# KiCad board Before Huzaifa Antuley fixed DRC.kicad_pcb (continued)
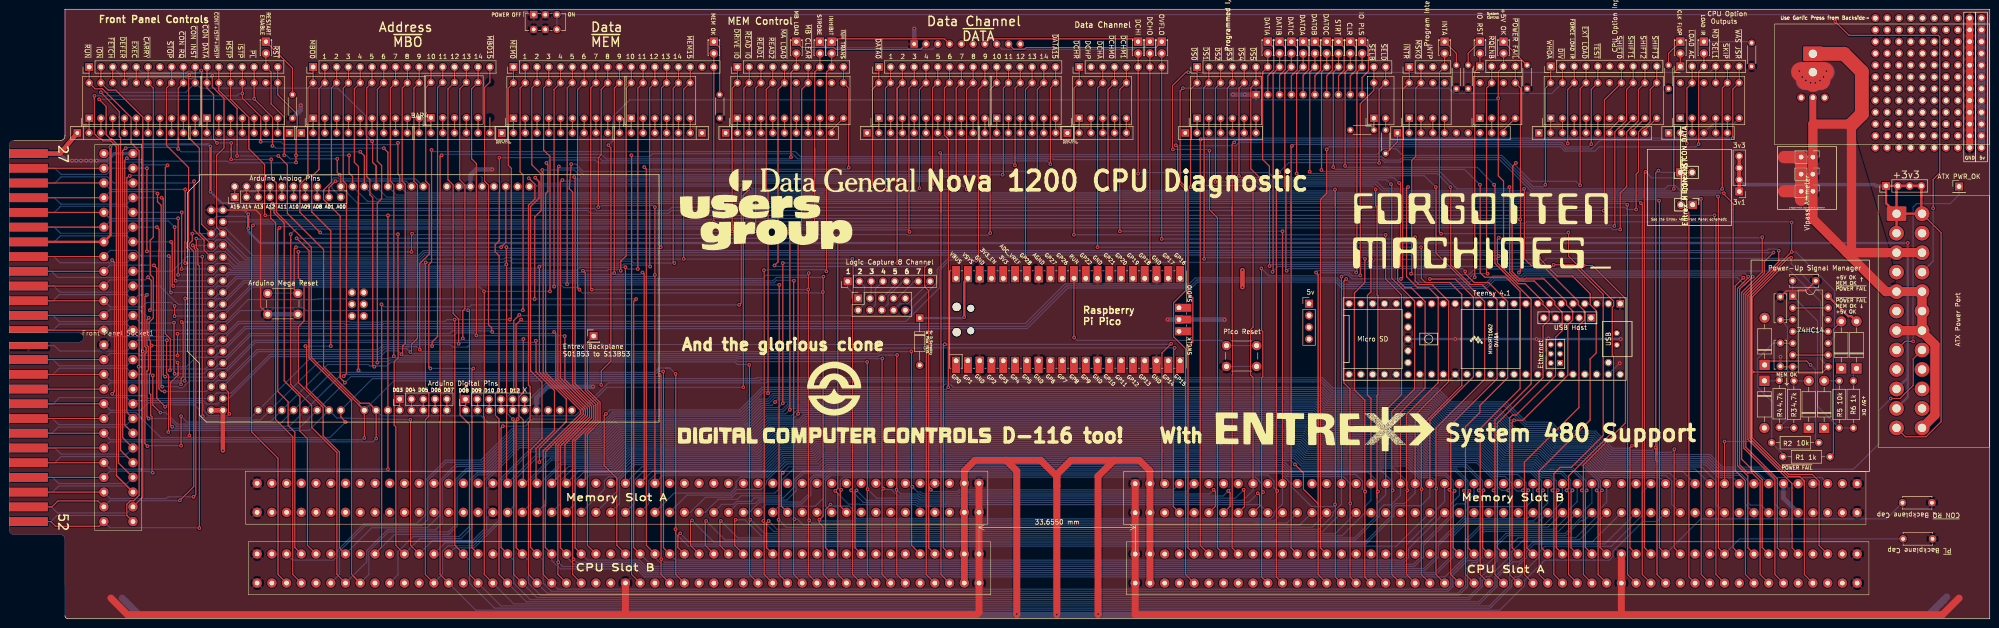
[diagram p0: board, top side]
## Routing (per net, layer and track width the routed paths; a pad name or vN(x,y) marks a point on that pad's centre or on a via; arc(x,y) is an arc through that point) (continued)
-5V: length 72.5
  Top w0.25: v1(369.63,38.23) J16.81 ; J4.20 410.3,56.05 410.3,50.35 407.45,47.5 v1(405.45,47.5)
  Bottom w0.25: v1(405.45,47.5) 402.91,44.96 402.91,37.72 397.45,32.26 381.57,32.26 375.6,38.23 v1(369.63,38.23) 369.51,38.23
GND: length 705.1
  Top w0.25: C3.2 381.8,54.33 U1.7 ; C5.2 387.12,70.7 382.93,70.7 C4.2 ; 55.69,65.73 54.15,67.27 54.15,87.14 53.15,88.14 46.04,88.14 ; 386.15,95.87 JP1.2
  Top w1.5: 347.16,0.89 347.41,1.14 J2.34 J2.33 ; 347.16,0.89 242.63,0.89 J2.100 J2.99 J16.2 J16.1 ; 347.16,0.89 416.62,0.89 420.18,4.45 ; 21.91,4.45 25.46,0.89 132.65,0.89 ; 132.65,0.89 132.78,1.02 J3.50 ; 132.65,0.89 208.47,0.89 208.98,1.4 J3.2 J3.1 J15.99 ; 422.47,101.6 422.47,129.54
  Top w2.65: JP4.2 386.15,95.87 ; JP4.2 382.46,92.2 ; JP4.2 386.15,90.43 386.14,90.42
  Top w2.66: 382.46,99.57 JP5.2 386.14,95.9 JP1.2
  Top w4.2: 388.72,115.76 388.72,117.96 391.1,117.96 ; 388.46,117.93 386.08,117.93 ; 388.72,117.69 387.19,116.15 ; 390.37,116.14 388.84,117.68
  Bottom w0.25: 195.01,127.38 195.01,127.26 v1(195.01,127.25) 195.01,127.25 ; 249.63,64.53 v1(249.62,64.52) 249.61,64.53 249.5,64.53 249.49,64.52 ; Teensy 4.1.47 v1(347.03,55.12) ; SW3.1 SW3.1 ; v1(125.79,50.04) 125.92,50.04
  Bottom w0.5: v1(347.28,60.33) 331.79,60.33 v1(331.66,60.45) 331.54,60.33 v1(329.12,60.33) v1(311.6,60.33) Teensy 4.1.52 ; C3.2 381.67,56.49 v1(381.7,56.52) 381.67,56.54 381.67,56.62
  Bottom w0.7: 24.32,100.33 Front Panel Socket1.1 22.61,100.33 21.06,98.78 18.89,98.78 v1(18.86,98.81) 18.84,98.78 17.62,98.78 v1(17.59,98.81) 17.56,98.78 16.6,98.78 v1(16.57,98.81) 16.55,98.78 15.46,98.78 v1(15.43,98.81) 15.41,98.78 14.44,98.78 v1(14.42,98.81) 14.39,98.78 13.55,98.78 v1(13.53,98.81) 13.5,98.78 12.41,98.78 10.86,100.33 J5.1
  Bottom w1: v1(125.79,50.04) 116.02,50.04 113.6,47.63 113.6,44.96 ; SW1.1 SW1.1 ; R7.1 62.8,109.73 v1(62.8,110.74) ; 249.63,64.53 U2.42 261.83,64.53 v1(261.89,64.47) ; RN14.1 v1(266.26,113.03) v1(263.72,113.03) 263.59,113.03 ; RN11.1 195.01,127.25 ; J16.89 382.33,26.04 J16.92 ; 96.84,93.22 99.38,93.22 99.38,95.63 100.65,96.9 v1(104.08,96.9) ; 43.5,88.14 46.04,88.14
  Bottom w4.2: 388.94,117.86 391.32,117.86 ; 386.3,117.88 MES1.5 ; MES1.5 388.68,115.68 ; MES1.5 388.68,117.61 v1(390.21,116.08) ; 387.02,116.07 388.56,117.6
  vias: v1(385.76,118.11) v1(386.4,116.84) v1(387.16,116.08) v1(388.18,115.57) v1(389.19,115.57) v1(390.97,116.84) v1(391.61,118.11)
GND After Meter: length 187
  Top w1.5: 388.68,106.68 388.68,112.39
  Top w2: JP1.1 388.68,92.08 388.68,99.56 JP5.1 ; 395.96,78.96 J4.15 ; 395.96,78.96 397,77.92 ; 395.96,78.96 388.68,86.24 388.68,93.35 ; 388.68,97.16 388.68,106.68 397.07,106.68 399.23,108.84 ; 397,77.92 397,106.62 ; 397,77.92 404.36,70.56 J4.5 J4.17 J4.19 J4.7 411.93,62.16 414.98,59.11 414.98,43.94 J4.24
  Top w3: 397,106.62 399.23,108.84 399.23,117.98 395.37,121.84 MES1.4
CLK FLOP: length 353
  Top w0.25: 135.95,7.7 134.1,9.55 134.1,99.89 v1(134.05,99.95) 134.1,100 ; D28.2 J17.1 358.71,117.73 v1(358.71,92.71)
  Bottom w0.25: 294.45,99.02 295.83,99.02 296.37,98.48 299.88,98.48 300.42,99.02 321.17,99.02 327.85,92.34 327.85,92.27 358.27,92.27 v1(358.71,92.71) ; 294.45,99.02 225.07,99.02 224.9,99.2 169.86,99.2 168.77,100.29 138.63,100.29 137.99,99.65 134.35,99.65 v1(134.05,99.95) ; 294.45,99.02 295.51,99.02
CLR: length 358.9
  Top w0.25: D20.2 J10.14 287.87,117.87 287.87,97.68 v1(287.85,97.66) 287.87,97.65 ; v1(319.98,93.6) 320.16,93.42 320.16,76.65 327.96,68.85 327.96,50.66 320.16,42.85 320.16,28 v1(319.85,27.69) 320.16,27.38 320.16,9.54 J2.50
  Bottom w0.25: 295.98,97.36 316.35,97.36 v1(319.98,93.6) 319.98,93.73 ; 295.98,97.36 288.15,97.36 v1(287.85,97.66) ; 295.98,97.36 297.12,97.36 ; 129.6,22.94 131.45,24.79 131.45,29.92 134.78,33.24 162.18,33.24 165.95,37 172.62,37 173.82,38.19 278.25,38.19 279.89,36.56 302.5,36.56 305.37,33.69 316.15,33.69 320.16,29.68 320.16,28 v1(319.85,27.69)
DATIA: length 415.4
  Top w0.25: v1(329.63,77.85) 333.57,73.91 336.87,73.91 340.68,70.1 340.68,67.75 341.98,66.45 341.98,57.33 340.66,56.01 340.66,42.85 329.69,31.88 329.69,28 v1(329.38,27.69) 329.69,27.38 329.69,9.54 J2.44 ; D12.2 J10.7 270.08,117.87 270.08,99.06 271.55,97.59 v1(271.59,76.07) 271.55,76.24
  Bottom w0.25: v1(329.63,77.85) 329.29,77.51 294.37,77.51 293.29,76.42 271.94,76.42 v1(271.59,76.07) ; 120.08,22.94 121.25,24.11 ; 121.25,24.11 121.93,24.79 121.93,29.76 123.68,31.51 130.37,31.51 133.9,35.04 161.43,35.04 165.19,38.8 171.78,38.8 172.97,39.99 278.99,39.99 280.63,38.36 303.24,38.36 306.11,35.49 316.9,35.49 320.8,31.58 327.78,31.58 329.69,29.68 329.69,28 v1(329.38,27.69) ; 121.25,24.11 121.41,24.27
DATIB: length 426.2
  Top w0.25: J2.42 332.86,9.54 332.86,27.38 v1(332.55,27.69) 332.86,28 332.86,31.3 334.2,32.64 336.62,32.64 343.49,39.52 343.49,67.44 ; 343.49,67.44 343.49,69.96 337.12,76.33 v1(332.81,76.33) 332.86,76.38 ; 343.49,67.44 343.49,68.56 ; v1(272.23,74.8) 272.35,74.93 272.35,117.6 J10.8 D16.2
  Bottom w0.25: v1(332.81,76.33) 332.45,75.97 330.01,75.97 ; 116.91,22.94 118.75,24.79 118.75,29.76 121.4,32.41 129.99,32.41 133.52,35.94 161.04,35.94 164.8,39.7 171.4,39.7 172.6,40.89 279.37,40.89 281,39.26 303.62,39.26 306.49,36.39 317.27,36.39 321.18,32.48 328.16,32.48 330.21,30.43 330.24,30.46 332.08,30.46 332.86,29.68 332.86,28 v1(332.55,27.69) ; 330.01,75.97 273.39,75.97 v1(272.23,74.8) ; 330.01,75.97 330.55,75.97
DATIC: length 355.6
  Top w0.25: v1(275.27,75.06) 275.11,75.22 275.11,92.6 274.88,92.84 274.88,117.58 J10.9 D17.2 ; J2.54 313.81,9.54 313.81,27.25 v1(313.5,27.56) 313.81,27.87 313.81,41.4 316.92,44.51 316.92,45.99 322.9,51.97 322.9,68.39 318.77,72.52 315.66,72.52 313.75,74.42 v1(313.75,74.93)
  Bottom w0.25: v1(275.27,75.06) 275.74,75.52 313.16,75.52 v1(313.75,74.93) ; 135.95,22.94 137.81,24.79 137.81,29.76 139.48,31.44 162.94,31.44 166.71,35.2 173.37,35.2 174.56,36.39 277.5,36.39 279.14,34.76 301.75,34.76 304.62,31.89 311.6,31.89 313.88,29.61 313.88,27.94 v1(313.5,27.56)
DATOA: length 329.1
  Top w0.25: v1(277.43,96.01) 277.42,96.03 277.42,117.58 J10.10 D21.2 ; J2.58 307.46,9.54 307.46,28 v1(307.53,28.07) 307.46,28.14 307.46,41.15 317.95,51.63 317.95,68.38 307.46,78.87 307.46,93.04 v1(307.4,93.09)
  Bottom w0.25: 302.78,31.82 304.12,30.48 306.66,30.48 307.53,29.61 v1(307.53,28.07) ; 143.6,24.23 146.02,26.65 155.58,26.65 156.81,27.89 161.94,27.89 163.2,29.16 163.2,29.79 167.27,33.85 173.93,33.85 175.12,35.04 276.94,35.04 278.58,33.41 301.19,33.41 303.79,30.81 ; 143.6,24.23 143.7,24.34 ; 143.6,24.23 142.31,22.94 ; 297.37,95.56 304.94,95.56 v1(307.4,93.09) ; 297.37,95.56 297.88,95.56 ; 297.37,95.56 277.89,95.56 v1(277.43,96.01)
DATOB: length 336
  Top w0.25: 280.25,96.38 v1(280.23,96.39) 280.25,96.41 280.25,117.87 J10.11 D22.2 ; J2.56 310.63,9.54 310.63,27.5 v1(310.33,27.81) 310.63,28.12 310.63,41.78 320.63,51.78 320.63,58.02 320.61,58.04 320.61,68.83 317.38,72.07 314.89,72.07 310.63,76.33 310.63,93.04 v1(310.58,93.09)
  Bottom w0.25: 310.58,93.22 v1(310.58,93.09) 307.79,96.01 280.61,96.01 v1(280.23,96.39) ; 139.13,22.94 143.29,27.1 155.39,27.1 156.63,28.34 156.63,29.53 157.63,30.54 163.31,30.54 167.08,34.3 173.74,34.3 174.93,35.49 277.13,35.49 278.77,33.86 301.38,33.86 304.31,30.93 309.38,30.93 310.71,29.61 310.71,28.19 v1(310.33,27.81)
DATOC: length 376.2
  Top w0.25: D18.2 J10.12 282.79,117.87 282.79,96.79 v1(282.77,96.77) 282.79,96.76 ; v1(323.28,93.09) 323.33,93.04 323.33,74.75 325.25,72.83 328.62,72.83 333.04,68.41 333.04,67.71 334.65,66.1 334.65,62.15 333.21,60.71 333.21,52.41 324.74,43.94 323.97,43.94 323.33,43.31 323.33,28 v1(323.03,27.69) 323.33,27.38 323.33,9.54 J2.48
  Bottom w0.25: 297.5,96.46 283.08,96.46 v1(282.77,96.77) ; 297.5,96.46 297.63,96.46 ; 297.5,96.46 308.24,96.46 311.98,92.72 322.91,92.72 v1(323.28,93.09) ; 126.43,22.94 131,27.52 131,30.1 134.59,33.69 161.99,33.69 165.75,37.45 172.44,37.45 173.63,38.64 278.44,38.64 280.07,37.01 302.69,37.01 305.55,34.14 316.34,34.14 320.61,29.86 320.61,28.65 321.58,27.69 v1(323.03,27.69)
DCHI: length 321.1
  Top w0.25: 149.98,21.28 v1(150.18,21.08) 149.98,20.88 149.98,15.82 J3.37 ; D13.2 J12.6 v1(243.27,96.01) ; 299.79,29.13 299.79,44.45 305.1,49.77 305.1,68.41 302.14,71.37 300.79,71.37 299.19,72.98 299.19,75.48 299.79,76.07 299.79,93.73 v1(299.53,93.98)
  Bottom w0.25: 246.41,96.23 246.83,96.23 ; 246.83,96.23 243.49,96.23 v1(243.27,96.01) ; 246.83,96.23 271.36,96.23 272.48,95.11 298.4,95.11 v1(299.53,93.98) ; v1(150.18,21.08) 154.26,17 290.11,17 295.21,22.09 295.21,23.5 296.27,24.56 297.75,24.56 299.79,26.59 299.79,29.13
DCHO: length 296.5
  Top w0.25: 156.33,21.54 v1(156.53,21.34) 156.33,21.14 156.33,15.82 J3.33 ; J16.33 293.44,47.5 292.69,48.24 292.69,69.74 293.44,70.49 v1(293.44,77.6) ; v1(245.68,77.22) 245.81,77.34 J12.7 D14.2
  Bottom w0.25: 245.81,77.22 v1(245.68,77.22) 246.15,76.87 292.71,76.87 v1(293.44,77.6) ; J16.33 293.44,25.53 292.11,24.2 292.11,22.81 287.2,17.9 162,17.9 158.56,21.34 v1(156.53,21.34)
Entrex Backplane S01B53 to S13B53: length 50.6
  Top w0.25: TP1.1 124.58,59.62 124.58,49.4 127.31,46.68 127.31,42.48 124.58,39.75 124.58,15.82 J3.53
Entrex P10.19: length 82.9
  Top w0.25: 363.29,7.69 361.96,9.02 361.96,87.56 360.24,89.28
Entrex P10.30: length 95.6
  Top w0.25: 352.36,90.93 352.36,92.33 ; 352.36,90.93 352.36,96.14 v1(352.62,96.39) ; 352.36,90.93 352.36,15.36 J2.29
  Bottom w0.25: JP2.2 361.48,95.09 353.92,95.09 v1(352.62,96.39)
INHIBIT: length 256.8
  Top w0.25: D11.2 J18.9 176.1,117.87 176.1,74.95 v1(176.09,74.93) ; 162.68,75.24 v1(162.62,75.18) 162.68,75.13 162.68,21.26 v1(162.5,21.08) 162.68,20.9 162.68,9.55 J3.30
  Bottom w0.25: v1(162.62,75.18) 162.72,75.27 175.74,75.27 v1(176.09,74.93) ; J16.30 283.02,18.8 278.7,18.8 278.69,18.81 164.77,18.81 v1(162.5,21.08)
INTA: length 392.7
  Top w0.25: J2.40 336.04,9.54 336.04,27.25 v1(335.6,27.69) 336.04,28.12 336.04,30.79 345.74,40.5 345.74,56.53 345.45,56.82 345.45,67.19 345.74,67.48 345.74,68.47 336.04,78.18 336.04,83.26 v1(335.98,83.31) ; v1(308.55,83.06) 308.19,83.42 308.19,117.87 J13.4 D25.2
  Bottom w0.25: 114.83,24.04 115.58,24.79 115.58,29.76 119.13,33.31 129.6,33.31 133.14,36.84 160.67,36.84 164.43,40.6 171.03,40.6 172.22,41.79 279.74,41.79 281.38,40.16 303.99,40.16 306.86,37.29 317.64,37.29 321.55,33.38 328.53,33.38 330.55,31.36 334.36,31.36 336.04,29.68 336.04,28.12 v1(335.6,27.69) ; 114.83,24.04 115.13,24.34 ; 114.83,24.04 113.73,22.94 ; v1(308.55,83.06) 335.73,83.06 v1(335.98,83.31)
IO PLS: length 256.3
  Top w0.25: J2.74 282.06,9.54 282.06,24.77 ; v1(281.62,74.68) 282.06,74.24 282.06,24.77 ; 167.7,22.94 166.38,24.27 166.38,31.19 v1(166.69,31.5) ; v1(290.26,74.68) 290.4,74.82 290.4,117.87 J10.15 D23.2 ; 282.06,24.77 278.88,27.94 278.88,31.44 v1(277.05,33.27)
  Bottom w0.25: v1(166.69,31.5) 167.98,32.79 174.38,32.79 175.73,34.14 276.18,34.14 v1(277.05,33.27) ; v1(290.26,74.68) 289.86,75.07 282.02,75.07 v1(281.62,74.68)
IO RST: length 282.9
  Top w0.25: J2.70 288.94,9.02 288.94,24.84 v1(288.99,24.89) 288.94,24.95 288.94,49.53 287.61,50.85 287.61,72.79 v1(288.1,73.28) ; v1(315.79,73.66) 315.81,73.68 315.81,118 J14.1 D26.2
  Bottom w0.25: v1(288.99,24.89) 288.94,24.95 288.94,26.67 ; v1(288.1,73.28) 288.83,72.55 314.68,72.55 v1(315.79,73.66) ; 288.94,26.67 288.94,29.15 287.41,30.68 275.35,30.68 274.13,31.89 176.77,31.89 175.41,30.54 173.51,30.54 172.73,29.76 172.73,26.69 170.75,24.72 163.13,24.72 161.35,22.94 ; 288.94,26.67 288.94,26.34
LOAD IR: length 189.8
  Top w0.25: D27.2 J17.3 364.06,118 364.06,102.38 v1(364.05,102.36) ; J2.73 282.58,15.29 282.58,90.42 283.91,91.75 v1(283.91,101.22)
  Bottom w0.25: v1(364.05,102.36) 363.45,101.76 342.62,101.76 341.72,100.86 335.18,100.86 334.24,101.81 284.5,101.81 v1(283.91,101.22)
Logic1: length 4.6
  Bottom w0.25: J20.1 180.66,71.37 J19.1
Logic2: length 7.2
  Bottom w0.25: J20.2 184.31,71.66 184.31,67.91 182.94,66.55
Logic3: length 3.8
  Bottom w0.25: J20.3 185.74,69.34 J19.3
Logic4: length 7.4
  Bottom w0.25: J20.4 186.66,71.15 186.66,67.72 185.48,66.55
Logic5: length 4.8
  Bottom w0.25: J20.5 190.82,71.88 J19.5
Logic6: length 8.9
  Bottom w0.25: J20.6 192.59,72.77 189.39,69.58 189.39,67.91 188.03,66.55
Logic7: length 6.9
  Bottom w0.25: J20.7 195.02,72.77 191.34,69.09 J19.7
Logic8: length 10.5
  Bottom w0.25: J20.8 198.44,72.76 193.59,67.91 191.93,67.91 190.56,66.55
MB LOAD: length 467.6
  Top w0.25: J3.74 92.83,9.55 92.83,42.55 92.95,42.66 92.95,49.92 92.83,50.04 92.83,99.62 v1(93.16,99.95) ; D9.2 J18.6 168.46,117.85 168.46,99.58 v1(168.47,99.57) 168.46,99.56
  Bottom w0.25: 346.34,15.29 345.96,14.91 ; 345.96,14.91 345.56,14.51 345.56,13.41 344.78,12.64 341.44,12.64 ; 345.96,14.91 352.02,20.97 355.04,20.97 J16.74 ; 341.44,12.64 341.61,12.64 ; 341.44,12.64 330.91,12.64 327.13,8.86 ; J3.74 100.54,1.84 321.2,1.84 326.51,7.14 326.51,8.24 327.13,8.86 ; 327.13,8.86 327.29,9.02 ; v1(168.47,99.57) 168.1,99.2 128.59,99.2 127.62,100.17 93.37,100.17 v1(93.16,99.95)
MEM OK: length 479.4
  Top w0.25: J2.9 384.19,15.29 384.17,28.19 384.17,29.17 374.68,38.66 374.68,69.72 384.08,79.12 v1(384.11,79.12) v1(384.11,85.47) 384.19,85.53 ; D8.2 J7.18 v1(151.83,85.6)
  Bottom w0.25: v1(384.11,79.12) 385,79.12 393.36,70.77 393.36,60.81 U1.10 ; 46.04,85.6 v1(151.83,85.6) 323.79,85.6 323.79,85.47 323.94,85.32 326.71,85.32 326.98,85.6 383.99,85.6 v1(384.11,85.47)
OVFLO: length 328.9
  Top w0.25: v1(302.96,82.3) 302.96,72.9 303.79,72.07 306.58,72.07 310.18,68.47 310.18,51.16 302.96,43.94 J16.39 ; D15.2 J12.8 v1(248.35,81.92) ; v1(147.13,21.21) 146.81,20.88 146.81,15.82 J3.39
  Bottom w0.25: v1(302.96,82.3) 302.58,81.92 v1(248.35,81.92) ; v1(147.13,21.21) 151.79,16.55 292.17,16.55 297.94,22.31 297.94,24.11 298.66,24.83 300.67,24.83 302.96,27.12 J16.39
Power SW: length 358.9
  Top w0.25: v1(414.59,88.52) 414.59,94.74 416.02,96.17 416.02,125.51 415.7,125.83 396.46,125.83 v1(393.51,128.78)
  Bottom w0.25: 414.59,77.15 J4.16 414.59,77.15 ; 414.59,77.15 v1(414.59,88.52) ; SW2.6 SW2.3 391.99,130.3 v1(393.51,128.78)
PWR_OK: length 46.1
  Top w0.25: v1(410.27,59.82) 408.56,59.82 J4.8
  Bottom w0.25: TP2.1 420.18,91.44 418.28,89.54 411.04,89.54 410.27,88.77 v1(410.27,59.82)
RESTART ENABLE: length 525.3
  Top w0.25: J2.32 348.74,9.54 348.74,87.19 348.68,87.25 v1(348.68,89.28) ; v1(25.97,95.5) 25.33,95.12 25.33,93.98 ; 26.66,43.18 25.33,44.51 25.33,93.98 ; 59.27,99.93 v1(59.25,99.95) 59.27,99.97 59.27,108.19 56.41,111.04 56.41,117.9 J9.16 D7.2 ; 25.33,93.98 25.33,94.23 ; v1(70.68,99.19) 70.68,96.27 v1(71.19,95.76) 71.44,95.5 71.44,93.22
  Bottom w0.25: 26.66,43.18 25.33,41.86 10.66,41.86 9.34,43.18 4.15,43.18 ; 71.44,93.22 75.09,89.57 348.39,89.57 v1(348.68,89.28) ; v1(25.97,95.5) 26.1,95.63 71.06,95.63 v1(71.19,95.76) ; v1(70.68,99.19) 60.52,99.19 59.75,99.95 v1(59.25,99.95)
STROBE: length 224.1
  Top w0.25: 178.56,82.11 v1(178.63,82.04) 178.56,81.97 178.56,28.12 v1(177.99,27.56) ; J3.20 178.56,9.55 178.56,27 v1(177.99,27.56) ; v1(177.99,27.56) 177.87,27.43 ; 173.56,101.35 173.56,117.87 J18.8 D10.2 ; 173.56,101.35 v1(173.55,82.04) 173.56,82.06 ; 173.56,101.35 173.56,95.27
  Bottom w0.25: 198.69,24.27 205.82,24.27 206.19,24.63 269.44,24.63 J16.20 ; 198.69,24.27 195.65,24.27 195.29,24.63 183.33,24.63 ; 198.69,24.27 197.69,24.27 ; 183.33,24.63 183.11,24.63 ; 183.33,24.63 183.24,24.72 180.84,24.72 v1(177.99,27.56) ; v1(178.63,82.04) v1(173.55,82.04)
STRT: length 355.9
  Top w0.25: 285.32,97.39 v1(285.31,97.41) 285.32,97.43 285.32,117.87 J10.13 D19.2 ; v1(316.93,93.6) 316.99,93.54 316.99,74.62 317.95,73.66 322.51,73.66 325.57,70.61 325.57,49.6 316.99,41.02 316.99,28 v1(316.68,27.69) 316.99,27.38 316.99,9.54 J2.52
  Bottom w0.25: 316.99,29.68 316.99,28 v1(316.68,27.69) ; 316.99,29.68 315.92,30.74 ; 316.99,29.68 313.88,32.79 311.34,32.79 ; 311.34,32.79 304.99,32.79 302.13,35.66 279.51,35.66 277.88,37.29 174.19,37.29 173,36.1 166.33,36.1 162.57,32.34 161.35,32.34 ; 311.34,32.79 311.97,32.79 ; 296.99,96.91 313.62,96.91 v1(316.93,93.6) ; 296.99,96.91 285.81,96.91 v1(285.31,97.41) ; 296.99,96.91 297.37,96.91 ; 161.35,32.34 137.21,32.34 134.63,29.76 134.63,24.79 132.78,22.94 ; 161.35,32.34 161.48,32.34
~{CARRY}: length 535
  Top w0.25: J9.6 29.91,115.62 BAR1.15 31.03,114.44 31.03,82.3 30.38,81.64 30.38,74.22 31.03,73.56 31.03,64.87 30.12,63.95 30.12,60.2 30.42,59.9 30.42,59.69 ; J2.15 374.66,15.29 374.66,30.79 372.43,33.02 372.43,71.24 374.71,73.52 v1(374.71,73.79) ; 30.42,59.69 30.42,59.19 v1(30.67,58.93) 30.42,58.67 30.42,58.04 ; 30.42,59.69 30.42,58.04 ; 30.42,58.04 30.42,57.03 30.43,54.1 30.43,52.98 30.2,52.75 30.2,48.6 30.48,48.32 30.48,43.82 30.76,43.54 30.76,31.66 v1(30.93,31.5) 31.03,31.61 ; Front Panel Socket1.49 4.15,30.48
  Bottom w0.25: v1(30.93,31.5) 30.47,31.5 30.16,31.81 21.71,31.81 Front Panel Socket1.49 ; v1(374.71,73.79) 373.96,74.54 326.45,74.54 325.87,73.95 319.76,73.95 317.91,72.1 288.1,72.1 ; 288.1,72.1 289.75,72.1 ; 288.1,72.1 287.62,72.1 286.23,73.5 255.56,73.5 254.3,72.24 227.51,72.24 218.94,63.67 80.71,63.67 80.51,63.47 72.35,63.47 72.2,63.63 72.2,63.67 49.51,63.67 46.04,60.2 45.18,60.2 43.91,58.93 v1(30.67,58.93)
~{CON DATA}: length 568.1
  Top w0.25: 76.52,44.96 75.2,46.27 ; 76.52,44.96 v1(76.52,38.99) ; 76.52,44.96 65.09,56.39 65.09,80.14 57.55,87.68 57.55,93.98 56.53,95 v1(56.45,99.06) 56.53,99.02 ; 47.82,101.35 v1(47.82,102.62) ; 47.82,101.35 v1(47.82,99.06) ; 47.82,101.35 47.82,100.97 ; 355.08,33.91 354.81,34.18 354.81,96.18 v1(355.41,96.65) 355.28,96.65 ; 355.08,33.91 355.08,9.54 J2.28 ; 355.08,33.91 355.08,35.43 ; Front Panel Socket1.46 J5.46 ; v1(354.78,36.96) 355.08,36.65 355.08,35.43 ; J9.11 BAR2.20 42.61,114.44 44.02,113.02 44.02,103.36 v1(44.77,102.62) ; 355.08,35.43 355.08,38.66
  Bottom w0.25: v1(76.52,38.99) 76.13,38.61 74.87,38.61 ; v1(354.78,36.96) 354.14,36.32 345.38,36.32 345.38,36.32 341.69,40.02 334.08,40.02 332.17,41.93 326.83,41.93 322.43,46.33 310.55,46.33 307.72,49.16 285.17,49.16 282.79,51.54 161.82,51.54 161.61,51.33 114.13,51.33 114.11,51.31 82.87,51.31 76.52,44.96 ; JP2.1 355.79,96.27 v1(355.41,96.65) ; 69.53,38.61 70.17,38.61 ; 69.53,38.61 21.78,38.61 Front Panel Socket1.46 21.71,38.68 ; 69.53,38.61 74.87,38.61 ; v1(56.45,99.06) v1(47.82,99.06) ; v1(47.82,102.62) v1(44.77,102.62) ; 74.87,38.61 75.12,38.61
~{CON INST}: length 561.6
  Top w0.25: 23.98,100.58 23.98,103.72 23.7,104 23.7,108.08 ; 23.98,100.58 23.98,36.33 Front Panel Socket1.22 ; 23.98,100.58 23.98,100.79 ; 23.7,108.08 23.7,108.33 ; 23.7,108.08 23.7,109.33 v1(19.75,113.54) ; J9.10 BAR1.11 ; J2.22 364.61,9.54 364.61,90.5 v1(364.56,90.55) ; 79.06,93.22 79.06,95.63 ; 79.06,95.63 79.06,97.66 78.3,98.43 78.3,102.87 v1(78.17,103) ; 79.06,95.63 79.06,97.54
  Bottom w0.25: Front Panel Socket1.22 25.33,34.98 11.17,34.98 9.84,33.66 J5.22 ; JP3.1 364.05,90.55 v1(364.56,90.55) 364.19,90.92 81.36,90.92 79.06,93.22 ; v1(19.75,113.54) 38.04,113.54 BAR1.11 41.2,114.45 70.79,114.45 76.75,108.48 76.75,104.41 v1(78.17,103)
~{CON RQ}: length 579.6
  Top w0.25: 36.41,103.63 v1(36.39,101.35) 36.41,101.36 ; 36.41,103.63 36.41,114.45 BAR1.12 J9.9 ; 36.41,103.63 36.41,103.36 ; Front Panel Socket1.21 24.43,39.06 24.43,100.95 v1(25.08,101.47) ; 76.52,93.22 76.52,99.82 v1(75.63,100.71) ; 355.61,90.24 v1(355.54,90.17) 355.61,90.1 355.61,15.29 J2.27
  Bottom w0.25: C2.2 404.5,21.54 364.51,21.54 J2.27 ; Front Panel Socket1.21 25.33,35.51 11.17,35.51 9.84,36.83 J5.21 ; v1(25.08,101.47) 25.27,101.66 36.08,101.66 v1(36.39,101.35) 37.02,100.71 v1(75.63,100.71) ; 76.52,93.22 79.27,90.47 355.24,90.47 v1(355.54,90.17)
~{CONT+ISTP+MSTP}: length 493.4
  Top w0.25: Front Panel Socket1.47 J5.47 ; J2.25 358.79,15.29 358.79,36.52 v1(358.84,36.58) 358.79,36.63 ; 59.93,93.85 59.93,87.43 67.72,79.63 67.72,54.39 75.63,46.48 77.53,46.48 79.06,44.96 ; 59.93,93.85 59.93,97.87 v1(57.98,99.82) ; 59.93,93.85 59.93,94.06 ; 79.06,44.96 v1(79.06,38.86) ; 79.06,44.96 77.87,46.15 ; v1(49.09,99.82) 49.09,110.05 45.15,113.99 BAR2.19 J9.12
  Bottom w0.25: 283.02,50.67 283.59,50.1 ; 283.59,50.1 284.93,48.77 284.93,48.71 307.53,48.71 310.4,45.84 322.28,45.84 326.64,41.48 331.98,41.48 333.96,39.51 341.53,39.51 345.16,35.87 358.13,35.87 v1(358.84,36.58) ; 283.59,50.1 282.61,51.09 163.26,51.09 163.05,50.88 129.09,50.88 121.98,43.77 112.46,43.77 110.94,42.25 103.18,42.25 101.66,43.77 80.25,43.77 79.06,44.96 ; v1(79.06,38.86) 78.35,38.16 21.71,38.16 Front Panel Socket1.47 ; v1(49.09,99.82) v1(57.98,99.82)
~{DATA0}: length 430.5
  Top w0.25: BAR8.20 185.99,114.17 v1(185.99,93.22) ; BAR8.20 J8.1 ; BAR8.20 185.97,114.16 ; 111.98,95 v1(111.95,95) 111.95,95.03 111.98,95 ; 111.98,95 113.27,93.71 113.27,90.54 111.88,89.15 111.88,50.42 112.25,50.05 112.25,42.79 111.88,42.42 111.88,9.55 J3.62
  Bottom w0.25: J3.62 115.97,5.47 312.13,5.47 313.81,7.14 313.81,10.67 315.28,12.13 316.34,12.13 317.45,13.24 317.45,18.4 317.88,18.83 333.86,18.83 J16.62 ; v1(111.95,95) 111.98,95 113.67,93.31 159.5,93.31 160.09,92.72 185.5,92.72 v1(185.99,93.22)
~{DATA1}: length 443.7
  Top w0.25: v1(159.2,92.58) 159.2,92.33 158.18,91.31 v1(158.18,49.91) ; J8.2 BAR8.19 188.81,114.45 188.81,93.35 v1(188.79,92.58) 188.81,92.6 ; v1(106.36,41.53) 105.98,41.15 105.98,15.37 J3.65
  Bottom w0.25: 326.41,17.48 337.59,17.48 342.91,22.81 342.91,23.82 344.24,25.15 J16.65 ; v1(159.2,92.58) 159.51,92.27 188.47,92.27 v1(188.79,92.58) ; v1(158.18,49.91) 128.84,49.91 121.98,43.05 112.71,43.05 111.19,41.53 v1(106.36,41.53) ; 327.47,17.48 325.14,17.48 323.33,15.68 323.33,13.41 319,9.08 318.26,9.08 317.44,8.26 317.44,6.96 314.6,4.12 112.27,4.12 108.7,7.68 108.7,12.65 J3.65
~{DATA2}: length 447.5
  Top w0.25: BAR8.18 191.34,114.45 191.34,92.31 ; BAR8.18 J8.3 ; BAR8.18 191.33,114.43 v1(191.33,76.71) ; v1(166.69,46.48) v1(166.69,76.71)
  Bottom w0.25: 158.56,41.79 158.94,42.17 158.76,41.98 ; 158.56,41.79 131.07,41.79 127.54,38.26 109.47,38.26 102.7,31.49 100.8,31.49 99.18,29.87 99.18,19.95 96.97,17.74 87.05,17.74 83.76,14.45 83.76,9.48 J3.82 ; 158.56,41.79 162.32,45.55 165.76,45.55 v1(166.69,46.48) 166.95,46.74 281.79,46.74 283.43,45.11 306.04,45.11 308.91,42.24 319.69,42.24 323.6,38.33 330.68,38.33 332.65,36.36 340.22,36.36 343.86,32.72 364.74,32.72 367.79,29.68 367.79,24.71 J16.82 ; v1(166.69,76.71) v1(191.33,76.71)
~{DATA3}: length 391.6
  Top w0.25: v1(169.74,83.57) 169.99,83.31 v1(169.99,44.2) ; v1(193.99,83.44) 193.88,83.55 193.88,114.45 BAR8.17 J8.4
  Bottom w0.25: J3.73 96,15.3 100.2,15.3 106.05,21.15 106.05,29.76 112.3,36.01 128.47,36.01 132,39.54 159.55,39.54 163.31,43.3 ; 194.12,83.44 v1(193.99,83.44) 193.99,83.57 193.68,83.88 170.05,83.88 v1(169.74,83.57) ; 163.31,43.3 168.34,43.3 ; 163.31,43.3 169.1,43.3 v1(169.99,44.2) 170.29,44.49 280.86,44.49 282.5,42.86 305.11,42.86 307.98,39.99 318.76,39.99 322.67,36.08 329.75,36.08 331.72,34.11 339.23,34.11 342.88,30.46 355.61,30.46 J16.73
~{DATA4}: length 443.5
  Top w0.25: v1(196.15,92.84) 196.13,92.86 196.13,114.16 BAR8.16 J8.5 ; J3.61 112.33,15.37 112.33,36.45 114.79,38.91 114.79,51.01 112.33,53.47 112.33,88.9 112.33,88.9 114.16,90.72 114.16,94.32 v1(113.35,95.12)
  Bottom w0.25: v1(113.35,95.12) 113.35,94.87 114.46,93.76 159.2,93.76 159.38,93.94 188.45,93.94 190.12,92.27 195.59,92.27 v1(196.15,92.84) ; J16.61 337.88,25.26 336.04,23.41 336.04,22.31 333.01,19.28 317.69,19.28 316.99,18.58 316.99,13.41 316.16,12.58 314.27,12.58 311.08,9.4 311.08,6.96 310.05,5.92 116.82,5.92 115.06,7.68 115.06,12.65 J3.61
~{DATA5}: length 419.5
  Top w0.25: v1(119.19,94.62) 118.75,94.18 118.75,51.89 125.06,45.59 125.06,43.55 118.75,37.25 118.75,15.3 J3.57 ; v1(198.95,93.73) 198.97,93.74 198.97,114.49 BAR8.15 200.09,115.62 J8.6
  Bottom w0.25: v1(198.95,93.73) 198.28,94.39 119.41,94.39 v1(119.19,94.62) ; J3.57 120.08,13.33 121.69,11.71 135.49,11.71 137.27,9.94 307.16,9.94 310.63,13.41 310.63,17.86 313.85,21.08 328.49,21.08 330.21,22.81 330.21,23.62 331.54,24.95 J16.57
~{DATA6}: length 431.7
  Top w0.25: v1(202.38,49.91) 202.38,103.44 201.5,104.31 201.5,114.45 BAR8.14 J8.7
  Bottom w0.25: J3.95 61.08,12.65 69.83,12.65 70.61,13.42 70.61,14.63 76.5,20.53 87.79,20.53 89.73,22.46 89.73,29.94 93.97,34.19 101.58,34.19 108.35,40.96 126.42,40.96 130.06,44.59 157.55,44.59 162.41,49.46 201.92,49.46 v1(202.38,49.91) 202.83,49.46 282.9,49.46 284.55,47.81 307.16,47.81 310.03,44.94 320.81,44.94 324.72,41.03 331.8,41.03 333.77,39.06 341.34,39.06 344.98,35.42 366.54,35.42 369.25,32.71 378.1,32.71 380.35,30.46 390.54,30.46 J16.95
~{DATA7}: length 414.3
  Top w0.25: v1(121.73,95.25) 121.93,95.05 121.93,50.7 126.41,46.23 126.41,42.85 121.93,38.37 121.93,15.3 J3.55 ; v1(204.03,92.58) 204.04,92.6 204.04,114.45 BAR8.13 J8.8 ; J16.55 328.58,29.35
  Bottom w0.25: J16.55 328.36,25.65 326.89,24.19 314.75,24.19 313.81,23.24 313.81,22.31 307.46,15.96 307.46,13.41 304.88,10.84 137.64,10.84 135.83,12.65 124.58,12.65 J3.55 ; v1(204.03,92.58) 201.11,92.58 201.11,92.59 198.86,94.84 122.14,94.84 v1(121.73,95.25)
~{DATA8}: length 445.7
  Top w0.25: v1(114.87,96.77) 114.87,96.29 115.06,96.1 115.06,52.98 123.13,44.91 123.13,44.2 123.06,44.2 115.06,36.2 115.06,9.55 J3.60 ; v1(206.31,92.58) 206.29,92.6 206.29,114.16 BAR8.12 J8.9